# Altium PCB waffling60-MXHS-ISO.PcbDoc (part 2 of 2) (continued)
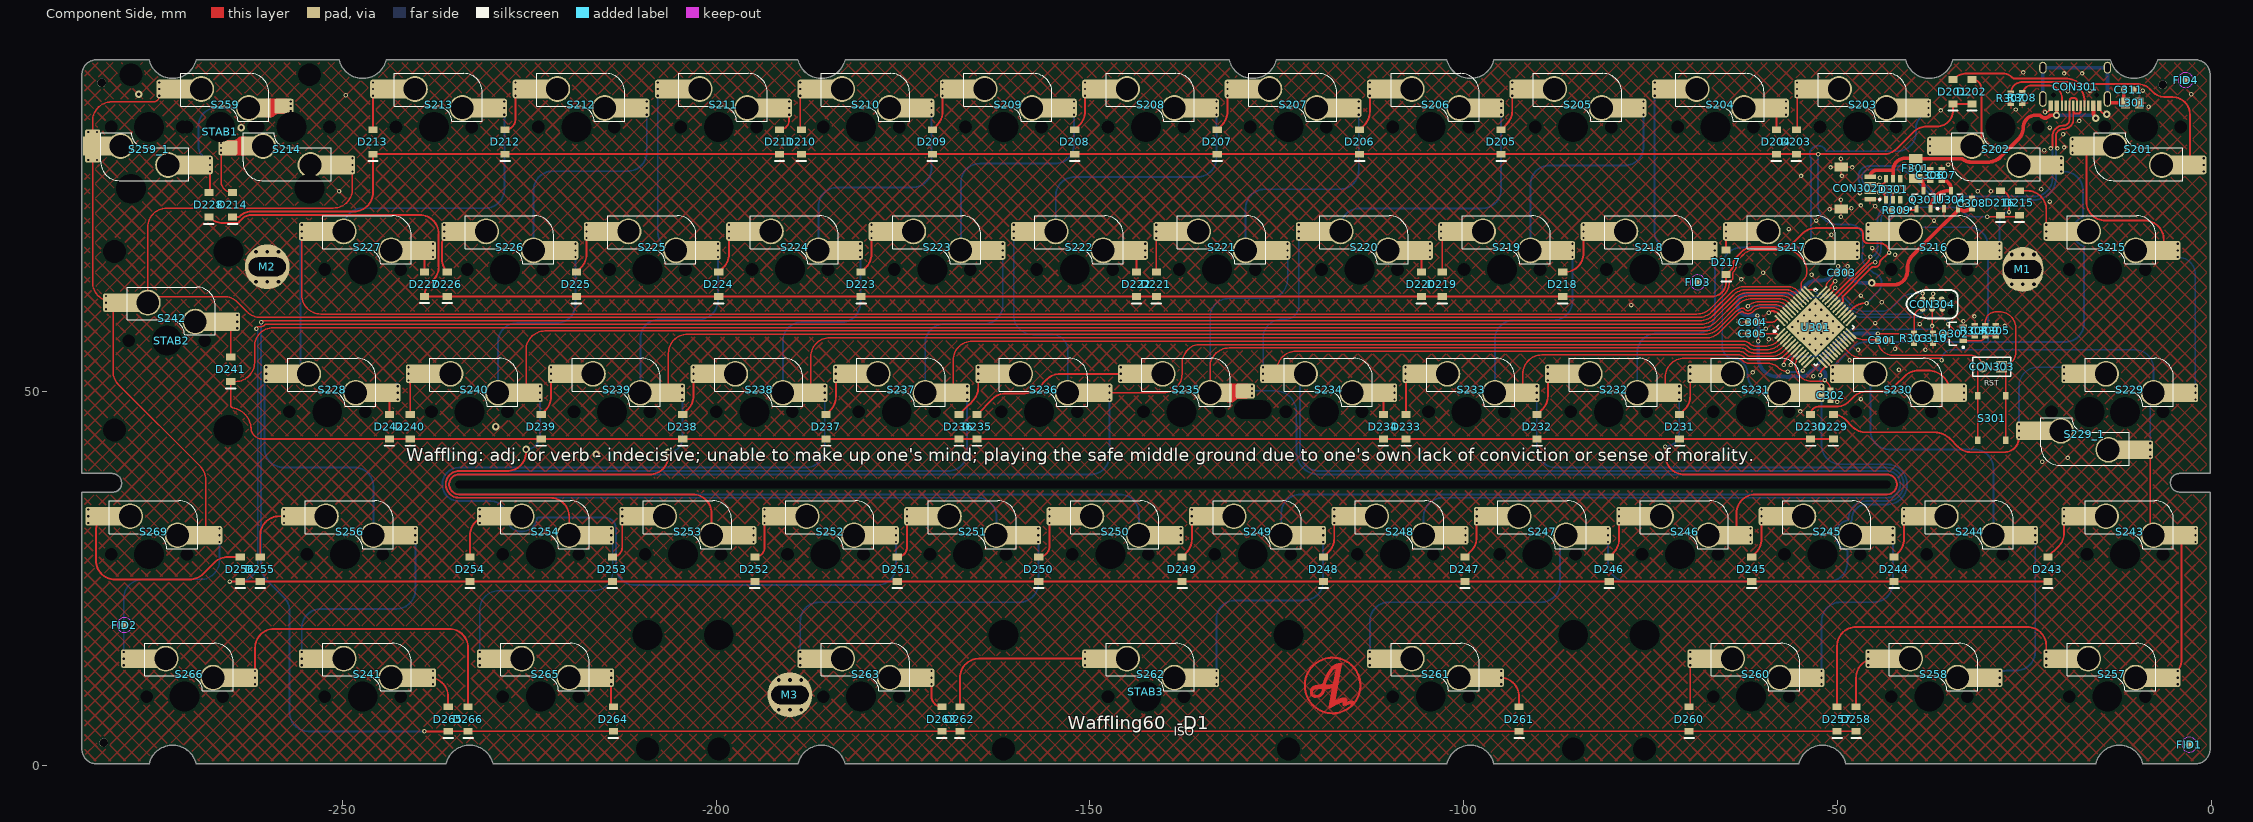
[diagram p0: Component Side view]
## Nets (pads, with @x,y where several pads share a name; then routed paths per layer and width w, separated by ;. In a path a pad name is that pad's centre, name@x,y a point inside that pad or via, vN(x,y) a via of type N, cw(c..) or ccw(c..) an arc to the next point about the centre after c; other vN are vias at no path point) (continued)
  Bottom Layer w0.6: S235.1@-145.887,51.506 S235.1@-145.887,52.395 S235.1@-145.887,53.284
NetD236_1: D236.1 S236.1 | length 7.7
  Component Side w0.254: D236.1@-167.513,46.95 -167.03,47.278 -167.156,47.278 cw(c-166.92,47.184) -167.1,47.363 -166.19,48.273 cw(c-166.011,48.093) -166.11,48.327 ccw(c-166.354,48.918) -165.764,48.673 cw(c-165.53,48.574) -165.71,48.753 -165.681,48.782 ccw(c-167.477,50.578) -164.937,50.578 S236.1@-164.937,51.506 ; S236.1@-163.195,52.395 S236.1@-163.077,52.395
  Bottom Layer w0.6: S236.1@-164.937,51.506 S236.1@-164.937,52.395 S236.1@-164.937,53.284
NetD237_1: D237.1 S237.1 | length 7.4
  Component Side w0.254: D237.1@-185.293,46.95 -184.731,47.512 ccw(c-186.527,49.308) -183.987,49.308 S237.1@-183.987,51.506 ; S237.1@-182.753,52.395 S237.1@-182.127,52.395
  Bottom Layer w0.6: S237.1@-183.987,51.506 S237.1@-183.987,52.395 S237.1@-183.987,53.284
NetD238_1: D238.1 S238.1 | length 7.6
  Component Side w0.254: D238.1@-204.47,46.95 -203.781,47.639 ccw(c-205.577,49.435) -203.037,49.435 S238.1@-203.037,51.506 ; S238.1@-201.93,52.395 S238.1@-201.177,52.395
  Bottom Layer w0.6: S238.1@-203.037,51.506 S238.1@-203.037,52.395 S238.1@-203.037,53.284
NetD239_1: D239.1 S239.1 | length 7.4
  Component Side w0.254: D239.1@-223.393,46.95 -222.831,47.512 ccw(c-224.627,49.308) -222.087,49.308 S239.1@-222.087,51.506 ; S239.1@-220.853,52.395 S239.1@-220.227,52.395
  Bottom Layer w0.6: S239.1@-222.087,51.506 S239.1@-222.087,52.395 S239.1@-222.087,53.284
NetD240_1: D240.1 S240.1 | length 7.7
  Component Side w0.254: S240.1@-241.137,51.506 cw(c-241.663,50.98) -240.919,50.98 D240.1@-240.919,46.95 ; S240.1@-240.175,51.497 S240.1@-239.277,52.395
  Bottom Layer w0.6: S240.1@-241.137,51.506 S240.1@-241.137,52.395 S240.1@-241.137,53.284
NetD241_1: D241.1 S242.1 | length 7.1
  Component Side w0.254: S242.1@-265.92,59.38 cw(c-265.92,58.382) -264.922,58.382 D241.1@-264.922,54.635
  Bottom Layer w0.6: S242.1@-264.06,58.491 S242.1@-264.06,59.38 S242.1@-264.06,60.269
NetD242_1: D242.1 S228.1 | length 5.1
  Component Side w0.254: S228.1@-244.452,49.855 cw(c-244.452,49.116) -243.713,49.116 D242.1@-243.713,46.95
  Bottom Layer w0.6: S228.1@-242.697,49.149 -242.697,50.038 S228.1@-242.697,50.927
NetD243_1: D243.1 S243.1 | length 8.6
  Component Side w0.254: D243.1@-21.844,27.9 -20.425,29.319 ccw(c-22.221,31.115) -19.681,31.115 S243.1@-19.681,32.456 ; S243.1@-19.304,33.345 S243.1@-17.821,33.345
  Bottom Layer w0.6: S243.1@-19.681,32.456 S243.1@-19.681,33.345 S243.1@-19.681,34.234
NetD244_1: D244.1 S244.2 | length 6.8
  Component Side w0.254: D244.1@-42.418,27.9 -41.854,28.464 ccw(c-43.65,30.26) -41.11,30.26 S244.2@-41.11,32.456
  Bottom Layer w0.6: S244.2@-41.11,32.456 S244.2@-41.11,33.345 S244.2@-41.11,34.234
NetD245_1: D245.1 S245.1 | length 6.8
  Component Side w0.254: D245.1@-61.468,27.9 -60.906,28.462 ccw(c-62.702,30.258) -60.162,30.258 S245.1@-60.162,32.456
  Bottom Layer w0.6: S245.1@-60.162,32.456 S245.1@-60.162,33.345 S245.1@-60.162,34.234
NetD246_1: D246.1 S246.1 | length 6.8
  Component Side w0.254: D246.1@-80.518,27.9 -79.956,28.462 ccw(c-81.752,30.258) -79.212,30.258 S246.1@-79.212,32.456
  Bottom Layer w0.6: S246.1@-79.212,32.456 S246.1@-79.212,33.345 S246.1@-79.212,34.234
NetD247_1: D247.1 S247.1 | length 6.9
  Component Side w0.254: D247.1@-99.822,27.9 -99.006,28.716 ccw(c-100.802,30.512) -98.262,30.512 S247.1@-98.262,32.456
  Bottom Layer w0.6: S247.1@-98.262,32.456 S247.1@-98.262,33.345 S247.1@-98.262,34.234
NetD248_1: D248.1 S248.1 | length 6.8
  Component Side w0.254: D248.1@-118.745,27.9 -118.056,28.589 ccw(c-119.852,30.385) -117.312,30.385 S248.1@-117.312,32.456
  Bottom Layer w0.6: S248.1@-117.312,32.456 S248.1@-117.312,33.345 S248.1@-117.312,34.234
NetD249_1: D249.1 S249.1 | length 6.8
  Component Side w0.254: D249.1@-137.668,27.9 -137.106,28.462 ccw(c-138.902,30.258) -136.362,30.258 S249.1@-136.362,32.456
  Bottom Layer w0.6: S249.1@-136.362,32.456 S249.1@-136.362,33.345 S249.1@-136.362,34.234
NetD250_1: D250.1 S250.1 | length 7.9
  Component Side w0.254: D250.1@-156.845,27.9 ccw(c-156.845,29.333) -155.412,29.333 S250.1@-155.412,32.456 ; S250.1@-154.305,33.345 S250.1@-153.552,33.345
  Bottom Layer w0.6: S250.1@-155.412,32.456 S250.1@-155.412,33.345 S250.1@-155.412,34.234
NetD251_1: D251.1 S251.1 | length 7.7
  Component Side w0.254: D251.1@-175.768,27.9 ccw(c-175.768,29.206) -174.462,29.206 S251.1@-174.462,32.456 ; S251.1@-173.228,33.345 S251.1@-172.602,33.345
  Bottom Layer w0.6: S251.1@-174.462,32.456 S251.1@-174.462,33.345 S251.1@-174.462,34.234
NetD252_1: D252.1 S252.1 | length 7.7
  Component Side w0.254: D252.1@-194.818,27.9 ccw(c-194.818,29.206) -193.512,29.206 S252.1@-193.512,32.456 ; S252.1@-192.278,33.345 S252.1@-191.652,33.345
  Bottom Layer w0.6: S252.1@-193.512,32.456 S252.1@-193.512,33.345 S252.1@-193.512,34.234
NetD253_1: D253.1 S253.1 | length 7.7
  Component Side w0.254: D253.1@-213.868,27.9 ccw(c-213.868,29.206) -212.562,29.206 S253.1@-212.562,32.456 ; S253.1@-211.328,33.345 S253.1@-210.702,33.345
  Bottom Layer w0.6: S253.1@-212.562,32.456 S253.1@-212.562,33.345 S253.1@-212.562,34.234
NetD254_1: D254.1 S254.1 | length 9.3
  Component Side w0.254: D254.1@-232.918,27.9 -232.918,30.805 cw(c-230.378,30.805) -230.378,33.345 S254.1@-229.752,33.345
  Bottom Layer w0.6: S254.1@-231.612,32.456 S254.1@-231.612,33.345 S254.1@-231.612,34.234
NetD255_1: D255.1 S256.1 | length 11.2
  Component Side w0.254: D255.1@-260.985,27.9 -260.985,30.805 cw(c-258.445,30.805) -258.445,33.345 S256.1@-255.945,33.345
  Bottom Layer w0.6: S256.1@-257.805,32.456 S256.1@-257.805,33.345 S256.1@-257.805,34.234
NetD256_1: D256.1 S269.1 | length 29.7
  Component Side w0.254: S269.1@-282.14,33.345 -282.212,33.273 ccw(c-280.416,31.477) -282.956,31.477 -282.956,27.432 ccw(c-280.416,27.432) -280.416,24.892 -270.419,24.892 ccw(c-270.419,27.432) -268.623,25.636 -267.103,27.156 cw(c-265.307,25.36) -265.307,27.9 D256.1@-263.652,27.9
  Bottom Layer w0.6: S269.1@-284,32.456 S269.1@-284,33.345 S269.1@-284,34.234
NetD257_1: D257.1 S257.2 | length 41.6
  Component Side w0.254: D257.1@-50.038,7.85 -50.038,16.002 cw(c-47.498,16.002) -47.498,18.542 -24.602,18.542 cw(c-24.602,16.002) -22.062,16.002 S257.2@-22.062,15.184
  Bottom Layer w0.6: S257.2@-22.062,13.406 S257.2@-22.062,14.295 S257.2@-22.062,15.184
NetD258_1: D258.1 S258.1 | length 10.6
  Component Side w0.254: D258.1@-47.498,7.85 -47.498,11.755 cw(c-44.958,11.755) -44.958,14.295 S258.1@-44.014,14.295
  Bottom Layer w0.6: S258.1@-45.874,13.406 S258.1@-45.874,14.295 S258.1@-45.874,15.184
NetD260_1: D260.1 S260.1 | length 7.4
  Component Side w0.203: D260.1@-69.85,7.85 ccw(c-69.85,8.013) -69.687,8.013 -69.687,12.115 S260.1@-69.687,13.406
  Bottom Layer w0.6: S260.1@-69.687,13.406 S260.1@-69.687,14.295 S260.1@-69.687,15.184
NetD261_1: D261.1 S261.1 | length 8.8
  Component Side w0.254: S261.1@-96.839,11.755 -95.123,11.755 cw(c-95.123,9.215) -92.583,9.215 D261.1@-92.583,7.85
  Bottom Layer w0.6: S261.1@-94.979,10.866 S261.1@-94.979,11.755 S261.1@-94.979,12.644
NetD262_1: D262.1 S262.2 | length 25.7
  Component Side w0.254: D262.1@-167.386,7.858 -167.386,11.755 cw(c-164.846,11.755) -164.846,14.295 S262.2@-148.789,14.295
  Bottom Layer w0.6: S262.2@-150.649,13.406 S262.2@-150.649,14.295 S262.2@-150.649,15.184
NetD263_1: D263.1 S263.1 | length 6.3
  Component Side w0.254: S263.1@-173.039,11.755 S263.1@-172.339,11.755 ; S263.1@-171.179,10.866 -171.179,9.23 ccw(c-169.799,9.23) D263.1@-169.799,7.85
  Bottom Layer w0.6: S263.1@-171.179,10.866 S263.1@-171.179,11.755 S263.1@-171.179,12.644
NetD264_1: D264.1 S265.1 | length 5
  Component Side w0.254: S265.1@-214.042,10.866 -214.042,9.741 -214.042,8.151 ccw(c-213.741,8.151) D264.1@-213.741,7.85
  Bottom Layer w0.6: S265.1@-214.042,10.866 S265.1@-214.042,11.755 S265.1@-214.042,12.644
NetD265_1: D265.1 S241.2 | length 8.5
  Component Side w0.254: S241.2@-239.714,11.755 -238.379,11.755 cw(c-238.379,9.215) -235.839,9.215 D265.1@-235.839,7.85
  Bottom Layer w0.6: S241.2@-237.854,10.866 S241.2@-237.854,11.755 S241.2@-237.854,12.644
NetD266_1: D266.1 S266.1 | length 44.2
  Component Side w0.254: S266.1@-261.667,12.644 -261.667,15.748 cw(c-259.127,15.748) -259.127,18.288 -235.712,18.288 cw(c-235.712,15.748) -233.172,15.748 D266.1@-233.172,7.85
  Bottom Layer w0.6: S266.1@-261.667,10.866 S266.1@-261.667,11.755 S266.1@-261.667,12.644
NetQ301_1: Q301.1 R309.1 | length 2.1
  Component Side w0.254: R309.1@-41.387,74.295 -39.628,74.295 ccw(c-39.628,74.492) Q301.1@-39.431,74.492
NRST: C310.1 CON304.3 Q302.3 R303.2 U301.7 | length 33
  Component Side w0.203: R303.2@-39.751,56.5 -39.726,56.5 -39.17,57.056 cw(c-37.374,55.26) -37.763,57.77 ; CON304.3@-37.338,61.087 v1(-37.338,58.801) -37.338,57.927 C310.1@-37.211,57.8 -37.374,57.8 ccw(c-37.374,55.26) -37.763,57.77 ; Q302.3@-35.564,57.77 -37.763,57.77
  Component Side w0.254: v1(-57.195,53.594) cw(c-56.135,53.594) -56.885,54.344 U301.7@-55.743,55.486
  Bottom Layer w0.254: v1(-57.195,53.594) cw(c-56.052,53.594) -56.052,54.737 -53.303,54.737 ccw(c-53.303,57.277) -51.507,55.481 -49.37,57.618 cw(c-47.574,55.822) -47.574,58.362 -44.868,58.362 ccw(c-44.87,58.616) -44.786,58.376 cw(c-44.577,57.785) -44.577,58.412 cw(c-44.577,57.785) -44.374,58.378 ccw(c-44.293,58.619) -44.294,58.365 -43.218,58.365 cw(c-43.218,58.111) -43.18,58.362 -37.777,58.362 ccw(c-37.777,58.801) v1(-37.338,58.801)
PA0: U301.10
PA1: U301.11
PA5: U301.15
PA6: U301.16
PA7: U301.17
PA9: D215.2 D216.2 D217.2 D218.2 D219.2 D220.2 D221.2 D222.2 D223.2 D224.2 D225.2 D226.2 D227.2 D228.2 U301.30 | length 278.4
  Component Side w0.254: D228.2@-267.843,73.365 -267.805,73.327 ccw(c-266.009,75.123) -266.009,72.583 -264.058,72.583 ccw(c-264.058,72.91) -263.764,72.767 cw(c-263.536,72.655) -263.717,72.833 -263.38,73.17 cw(c-262.197,71.987) -262.197,73.66 -239.649,73.66 cw(c-239.649,71.12) -237.109,71.12 -237.109,66.726 cw(c-239.649,66.726) -237.853,64.93 -238.076,64.708 cw(c-240.03,66.33) -238.234,64.534 -238.379,64.389 ccw(c-236.846,62.856) -238.38,64.388 ccw(c-236.846,62.856) -239.014,62.856 D227.2@-239.014,62.754 D226.2@-235.966,62.754 ; D226.2@-235.966,62.73 D225.2@-218.694,62.73 D224.2@-199.644,62.73 D223.2@-180.594,62.73 D222.2@-143.764,62.73 D221.2@-141.097,62.73 D220.2@-105.664,62.73 D219.2@-102.87,62.73 D218.2@-86.741,62.73 -66.813,62.73 ccw(c-66.813,64.646) -65.459,63.29 ccw(c-66.813,64.646) -65.458,63.291 ccw(c-66.813,64.646) -65.457,63.292 ccw(c-66.813,64.646) -64.897,64.646 D217.2@-64.897,65.675 -64.414,66.003 -64.525,66.003 cw(c-64.29,65.907) -64.471,66.085 -64.237,66.319 ccw(c-64.981,67.063) -63.929,67.063 cw(c-62.598,67.063) -63.539,68.004 -62.897,68.646 cw(c-61.101,66.85) -61.101,69.39 -57.52,69.39 ccw(c-57.52,71.93) -55.723,70.134 -54.719,71.138 cw(c-52.923,69.342) -52.923,71.882 -47.296,71.882 cw(c-47.296,71.163) -46.577,71.163 -46.577,70.508 ccw(c-45.938,70.508) -46.522,70.248 ccw(c-45.938,70.508) -46.401,70.067 ; U301.30@-49.768,61.461 U301.30@-49.751,61.477 ; U301.30@-49.344,61.852 U301.30@-49.415,61.781 ; -46.522,70.247 ccw(c-45.938,70.508) -45.938,69.868 -44.341,69.868 cw(c-44.341,68.62) v1(-43.093,68.62) ; v1@-43.093,68.58 ccw(c-44.46,68.62) v1(-43.093,68.62) ; v1(-29.972,73.406) -25.867,73.406 D215.2@-25.654,73.619 ; U301.30@-49.751,61.477 -49.748,61.48 U301.30@-49.741,61.473 ; U301.30@-49.751,61.477 -49.745,61.471 ccw(c-49.856,61.699) U301.30@-49.741,61.473 ; U301.30@-49.741,61.473 ccw(c-49.856,61.699) U301.30@-49.678,61.518 ; U301.30@-49.741,61.473 ccw(c-49.856,61.699) U301.30@-49.678,61.518 ; U301.30@-49.678,61.518 U301.30@-49.415,61.781 ; U301.30@-49.415,61.781 ccw(c-49.595,61.96) -49.365,61.853 -49.321,61.947 cw(c-49.091,61.84) -49.308,61.972 ccw(c-49.715,62.221) -49.28,62.416 cw(c-49.047,62.519) -49.301,62.518 -49.301,62.624 cw(c-49.047,62.624) -49.227,62.804 -45.386,66.645 cw(c-45.207,66.465) -45.136,66.709 ccw(c-44.958,67.31) -44.331,67.321 cw(c-44.077,67.324) -44.258,67.502 -43.205,68.555 cw(c-43.026,68.375) v1(-43.093,68.62)
  Bottom Layer w0.254: v1(-43.093,68.62) -43.093,72.136 cw(c-40.553,72.136) -40.553,74.676 -34.627,74.676 cw(c-34.627,72.942) -33.401,74.168 -33.383,74.15 ccw(c-31.587,75.946) -31.587,73.406 v1(-29.972,73.406)
PA10: U301.31
PB0: U301.18
PB1: U301.19
PB4: D257.2 D258.2 D260.2 D261.2 D262.2 D263.2 D264.2 D265.2 D266.2 U301.40 | length 472.4
  Component Side w0.203: v1(-260.858,59.309) cw(c-260.676,59.309) -260.676,59.491 -257.683,59.491 -70.993,59.491 -68.42,59.491 ccw(c-68.42,62.031) -66.623,60.235 -63.943,62.916 cw(c-62.147,61.12) -62.147,63.66 -56.98,63.66 cw(c-56.98,61.716) -55.605,63.091 U301.40@-55.036,62.521
  Component Side w0.254: v1@-239.014,4.572 v1(-239.014,4.578) D265.2@-235.837,4.578 ; D265.2@-235.839,4.58 D266.2@-233.172,4.58 D264.2@-213.741,4.58 D257.2@-50.038,4.58 D258.2@-47.498,4.58
  Bottom Layer w0.254: v1(-260.858,59.309) -260.858,26.579 ccw(c-258.318,26.579) -260.114,24.783 -257.792,22.461 cw(c-259.588,20.665) -257.048,20.665 -257.048,7.112 ccw(c-254.508,7.112) -254.508,4.572 v1@-239.014,4.572
PB5: D243.2 D244.2 D245.2 D246.2 D247.2 D248.2 D249.2 D250.2 D251.2 D252.2 D253.2 D254.2 D255.2 D256.2 U301.41 | length 488
  Component Side w0.203: v1(-261.493,58.42) cw(c-261.206,58.42) -261.206,58.707 -260.858,58.707 ccw(c-260.858,59.309) -260.372,58.955 cw(c-260.208,58.834) -260.209,59.037 -68.231,59.037 ccw(c-68.231,61.577) -66.435,59.781 -63.704,62.513 cw(c-61.908,60.717) -61.908,63.257 -57.249,63.257 cw(c-57.249,61.398) -55.934,62.712 U301.41@-55.389,62.168
  Component Side w0.254: v1@-265.049,24.638 -263.66,24.638 D256.2@-263.652,24.63 ; D256.2@-263.65,24.63 D255.2@-260.985,24.63 D254.2@-232.918,24.63 D253.2@-213.868,24.63 D252.2@-194.818,24.63 D251.2@-175.768,24.63 D250.2@-156.845,24.63 D249.2@-137.668,24.63 D248.2@-118.745,24.63 D247.2@-99.822,24.63 D246.2@-80.518,24.63 D245.2@-61.468,24.63 D244.2@-42.418,24.63 D243.2@-21.844,24.63
  Bottom Layer w0.254: v1(-265.052,24.604) -263.852,24.604 ccw(c-263.852,27.144) -263.648,24.612 ccw(c-263.852,27.144) -261.312,27.144 -261.312,58.239 ccw(c-261.493,58.239) v1(-261.493,58.42)
PB6: D229.2 D230.2 D231.2 D232.2 D233.2 D234.2 D235.2 D236.2 D237.2 D238.2 D239.2 D240.2 D241.2 D242.2 U301.42 | length 436.3
  Component Side w0.203: D241.2@-264.922,51.364 -264.922,48.137 ccw(c-264.668,48.137) -264.711,47.887 cw(c-265.225,44.902) -262.198,45.005 ; D241.2@-264.922,51.365 -264.287,51.365 ccw(c-264.287,53.905) -261.747,53.905 -261.747,56.017 ccw(c-264.278,56.233) -261.738,56.233 -261.738,56.26 cw(c-259.207,56.043) -259.207,58.583 -68.043,58.583 ccw(c-68.043,61.123) -66.247,59.327 -63.465,62.11 cw(c-61.669,60.314) -61.669,62.854 -57.517,62.854 cw(c-57.517,61.079) -56.263,62.334 U301.42@-55.743,61.814 ; -262.212,45.216 cw(c-265.225,44.902) -262.198,45.005 ; D242.2@-243.713,43.68 -260.676,43.68 cw(c-260.676,45.216) -262.198,45.005 ; D242.2@-243.669,43.68 D240.2@-240.919,43.68 D239.2@-223.393,43.68 D238.2@-204.47,43.68 D237.2@-185.293,43.68 D236.2@-167.513,43.68 D235.2@-165.1,43.68 D234.2@-110.744,43.68 D233.2@-107.696,43.68 D232.2@-90.17,43.68 D231.2@-71.12,43.68 D230.2@-53.594,43.68 D229.2@-50.546,43.68
PB10: U301.21
PB11: U301.22
PB12: U301.25
PB13: U301.26
PB14: D201.2 D202.2 D203.2 D204.2 D205.2 D206.2 D207.2 D208.2 D209.2 D210.2 D211.2 D212.2 D213.2 D214.2 U301.27 | length 271.9
  Component Side w0.254: D214.2@-264.668,73.365 -263.932,73.365 ccw(c-263.932,73.619) -263.753,73.439 -263.702,73.49 cw(c-262.197,71.987) -263.701,73.491 cw(c-262.197,71.987) -262.197,74.114 -248.44,74.114 ccw(c-248.44,76.654) -245.9,76.654 D213.2@-245.9,81.78 D212.2@-228.219,81.78 D211.2@-191.516,81.78 D210.2@-188.595,81.78 D209.2@-171.069,81.78 D208.2@-152.019,81.78 D207.2@-132.969,81.78 D206.2@-113.919,81.78 D205.2@-94.996,81.78 D204.2@-58.166,81.78 D203.2@-55.499,81.78 v1(-52.578,81.78) -43.859,81.78 ccw(c-43.859,84.32) -42.063,82.524 -39.86,84.727 cw(c-38.064,82.931) -38.064,85.471 -36.703,85.471 ccw(c-36.703,87.63) -34.544,87.63 D201.2@-34.544,88.509 D202.2@-32.004,88.509 ; U301.27@-48.707,60.4 -48.002,61.105 cw(c-46.206,59.309) -46.206,61.849 v1(-46.101,61.849)
  Bottom Layer w0.254: v1(-52.578,81.78) -52.578,74.93 ccw(c-50.038,74.93) -50.785,72.502 ccw(c-50.038,74.93) -50.038,72.39 -48.387,72.39 cw(c-48.387,70.612) -46.609,70.612 -46.609,68.625 cw(c-46.863,68.627) -46.63,68.526 ccw(c-45.593,68.072) -46.725,68.072 ccw(c-45.165,68.072) -46.268,66.969 -45.72,66.421 -45.211,65.912 ccw(c-45.033,66.093) -45.097,65.847 cw(c-45.421,64.556) -44.9,65.781 -44.898,65.78 cw(c-45.421,64.556) -44.269,65.224 -44.268,65.222 cw(c-45.421,64.556) -44.176,64.084 ccw(c-43.938,63.994) -44.176,64.082 ccw(c-43.938,63.994) -44.18,64.072 cw(c-45.984,64.641) -44.646,63.304 v1(-46.101,61.849)
PB15: U301.28
RAW: CON301.A4B9 CON301.B4A9 CON302.1 D301.5 F301.2 | length 39.8
  Component Side w0.5: CON302.1@-45.625,78.75 cw(c-44.746,78.75) -44.746,79.629 -42.545,79.629 ; D301.5@-42.545,78.464 -42.545,79.629 ; -23.622,86.995 -23.11,86.995 cw(c-23.112,86.495) -22.758,86.848 ccw(c-22.225,87.376) -21.692,86.848 cw(c-21.338,86.495) -21.34,86.995 v3@-20.701,86.995 ; -23.499,86.991 ccw(c-23.499,85.344) -25.146,85.344 cw(c-27.292,85.344) -25.775,83.826 -28.152,81.449 cw(c-29.948,83.245) -29.948,80.705 -31.864,80.705 cw(c-32.01,82.875) -33.248,81.087 ccw(c-33.532,80.675) -33.53,81.175 -35.754,81.175 cw(c-35.758,81.938) -35.758,81.175 -39.357,81.175 cw(c-39.357,81.373) F301.2@-39.497,81.233 -40.941,81.233 ccw(c-40.941,79.629) -42.545,79.629 ; v3(-20.697,86.991) -20.697,86.995 v3@-20.701,86.995 ; CON301.B4A9@-20.65,88.25 -20.674,88.226 -20.674,87.222 -20.774,87.122 -20.828,87.122 v3@-20.701,86.995 ; CON301.A4B9@-15.75,88.25 -15.75,87.276 ccw(c-14.758,87.276) v3(-15.46,86.575)
  Bottom Layer w0.5: v3(-20.697,86.991) -15.876,86.991 cw(c-15.876,86.575) v3(-15.46,86.575)
SWCLK: CON304.4 U301.37 | length 20.5
  Component Side w0.203: U301.37@-53.975,63.582 -53.975,63.627 v1(-52.959,63.627) ; CON304.4@-37.338,62.357 -37.274,62.42 -37.274,63.055 v1(-37.211,63.119)
  Bottom Layer w0.203: v1(-52.959,63.627) ccw(c-52.346,63.627) -52.346,63.014 -51.342,63.014 cw(c-51.342,60.071) -49.26,62.152 -48.863,61.754 -48.199,61.091 ccw(c-46.403,62.887) -46.403,60.347 -39.751,60.347 ccw(c-39.751,62.887) -37.211,62.887 v1(-37.211,63.119)
SWDIO: CON304.2 U301.34 | length 16
  Component Side w0.203: U301.34@-51.182,62.875 -51.182,62.901 -50.495,63.588 -50.495,63.604 -50.29,63.809 v1(-50.29,63.916) ; CON304.2@-38.608,62.357 v1(-38.609,63.152)
  Bottom Layer w0.203: v1(-50.29,63.916) -50.29,63.809 -50.148,63.666 -50.148,63.61 -48.032,61.494 ccw(c-46.236,63.29) -46.236,60.75 -44.25,60.75 ccw(c-44.25,63.29) -42.454,61.494 -41.54,62.408 cw(c-39.744,60.612) -41.42,62.521 cw(c-39.744,60.612) -39.744,63.152 v1(-38.609,63.152)
VCC: C307.2 Q301.2 U304.3 | length 6.3
  Component Side w0.5: Q301.2@-37.531,74.492 cw(c-35.131,74.492) -35.131,76.892 U304.3@-34.798,76.892 -34.798,77.074 ccw(c-36.068,77.074) C307.2@-36.068,78.344
VCC3V3: C301.2 C302.2 C303.2 C304.2 C305.2 C308.2 CON303.2 CON304.1 R303.1 S301.1 U301.1 U301.9 U301.24 U301.36 U301.48 U304.2 | length 131.4
  Component Side w0.203: v1(-60.706,60.198) -60.706,59.324 C304.2@-60.691,59.309 -58.78,59.309 ccw(c-58.78,60.037) -58.265,59.522 -58.052,59.736 -57.989,59.736 U301.48@-57.685,59.432 ; v1(-60.579,56.769) -60.579,57.673 C305.2@-60.691,57.785 -58.308,57.785 cw(c-58.308,57.341) U301.1@-57.995,57.655 ; U301.9@-55.206,54.608 -55.442,54.372 -55.436,54.309 cw(c-55.605,54.421) -55.444,54.297 ccw(c-55.089,54.018) -55.529,54.117 cw(c-55.728,54.162) -55.537,54.092 ccw(c-54.191,53.594) -55.626,53.594 ccw(c-53.439,53.594) -53.439,51.407 -52.577,51.407 -52.006,51.407 -51.952,51.407 -51.796,51.562 v1(-51.689,51.562) -51.365,51.238 cw(c-52.424,50.18) C302.2@-50.927,50.18 ; U301.36@-51.889,63.582 -51.482,63.989 -51.482,64.224 cw(c-50.915,64.224) -51.316,64.625 -50.053,65.888 C303.2@-50.053,65.913 ccw(c-50.053,66.055) -49.911,66.055 v1(-49.911,66.802) ; U301.24@-48,57.607 ccw(c-46.389,59.218) -46.389,56.94 -44.675,56.94 C301.2@-44.592,57.023 ; CON304.1@-38.608,61.087 ccw(c-38.608,59.944) -39.751,59.944 R303.1@-39.751,57.8 -39.766,57.785 v1(-44.577,57.785) -44.577,56.911 C301.2@-44.592,56.896 ccw(c-42.582,56.896) -44.592,56.871 ccw(c-42.582,56.896) -42.607,54.886 ccw(c-42.582,56.896) -42.582,54.886 -32.153,54.886 cw(c-32.153,53.34) CON303.2@-30.607,53.34 ccw(c-30.607,52.735) -31.212,52.735 S301.1@-31.212,49.482 S301.1@-31.212,43.482
  Component Side w0.5: v3(-45.421,64.556) ccw(c-45.171,64.556) -45.171,64.306 -42.501,64.306 ccw(c-42.501,66.167) -40.64,66.167 -40.64,66.512 cw(c-38.1,66.512) -39.896,68.308 -36.512,71.691 -33.873,74.242 U304.2@-33.848,74.492 -33.823,74.49 -33.8,74.49 cw(c-33.846,73.992) -33.516,74.368 ccw(c-33.02,74.93) -32.523,74.368 cw(c-32.194,73.992) -32.195,74.492 -32.046,74.492 ccw(c-32.046,74.534) C308.2@-32.004,74.534
  Bottom Layer w0.5: v1(-60.706,60.198) -61.893,60.198 cw(c-61.893,61.678) -63.373,61.678 cw(c-61.932,61.678) -61.932,63.119 -56.27,63.119 ccw(c-56.27,65.287) -56.129,63.124 ccw(c-56.27,65.287) -54.737,63.754 -54.127,64.364 cw(c-52.84,63.076) -52.84,64.897 -52.116,64.897 ccw(c-52.116,66.848) -50.737,65.468 -49.911,66.294 v1(-49.911,66.802) -48.409,65.3 ccw(c-46.612,67.096) -46.612,64.556 v3(-45.421,64.556) ; v1@-60.579,60.198 v1(-60.579,56.769) -60.579,54.569 ccw(c-58.039,54.569) -60.457,53.791 ccw(c-58.039,54.569) -58.819,52.152 ccw(c-58.039,54.569) -58.039,52.029 -57.799,52.029 ccw(c-57.802,52.529) -57.79,52.029 ; -57.663,52.029 ccw(c-57.652,52.529) -57.654,52.029 -57.064,52.029 cw(c-57.066,51.529) -56.897,52 ccw(c-56.642,52.705) -56.327,52.025 cw(c-56.118,51.57) -56.12,52.07 -54.854,52.07 ccw(c-54.854,52.901) -54.837,52.07 ccw(c-54.864,53.908) -54.678,52.079 cw(c-54.626,51.582) -54.621,52.082 ccw(c-54.61,52.832) -54.266,52.166 cw(c-54.037,51.721) -54.215,52.189 ccw(c-54.864,53.908) -54.079,52.246 ccw(c-54.294,52.697) -53.862,52.445 cw(c-53.213,52.07) -53.463,52.777 ccw(c-53.632,53.248) -53.28,52.893 -53.112,53.06 -52.756,53.459 cw(c-52.197,52.959) -52.72,53.497 ; v1@-51.67,51.581 v1(-51.689,51.562) -51.689,51.583 cw(c-51.189,51.581) -51.663,51.739 ccw(c-52.451,52.004) -51.628,51.888 cw(c-51.133,51.817) -51.61,51.968 ccw(c-52.324,52.197) -52.189,52.935 cw(c-52.096,53.426) -52.448,53.071 -52.578,53.201 cw(c-52.223,53.553) -52.72,53.497 ; v1(-44.577,57.785) -47.335,57.785 ccw(c-47.335,55.245) -49.131,57.041 -51.098,55.074 cw(c-53.303,57.277) -51.13,55.042 -52.72,53.497 ; -57.789,52.029 cw(c-57.727,49.855) -57.665,52.029 ; -57.789,52.029 cw(c-57.727,49.855) -57.664,52.029 ; -57.789,52.029 cw(c-57.727,49.855) -57.665,52.029
pads on no net: CON301. CON301.A8 CON301.B8 CON304.0 CON304.6 D301.3 D301.4 FID1.0 FID2.0 FID3.0 FID4.0 S201. S202. S203. S204. S205. S206. S207. S208. S209. S210. S211. S212. S213. S214. S215. S216. S217. S218. S219. S220. S221. S222. S223. S224. S225. S226. S227. S228. S229. S229_1. S230. S231. S232. S233. S234. S235. S236. S237. S238. S239. S240. S241. S242. S243. S244. S245. S246. S247. S248. S249. S250. S251. S252. S253. S254. S256. S257. S258. S259. S259_1. S260. S261. S262. S263. S265. S266. S269. STAB1. STAB2. STAB3. STAB4. STAB5. STAB6.

## Polygon pours and split planes (outlines as drawn)
GND on Bottom Layer "Component Side-No Net" (hatched 45Degree grid 1.397 track 0.203, remove dead copper, pour order 4): -0.635,93.995 -0.635,0.65 -284.607,0.65 -284.607,93.995
GND on Component Side "Component Side-No Net" (hatched 45Degree grid 1.397 track 0.203, remove dead copper, pour order 5): -0.635,93.995 -0.635,0.65 -284.607,0.65 -284.607,93.995

## Other copper
Component Side:
  region net GND: 1746 vertices and 2 holes, not listed, extent -120.551,7.574 -114.639,13.714

## Silkscreen, mask and mechanical layers (free items; w line width, h text height)
Top Overlay:
  text "RST" at -30.353,50.8 h0.75
  text "Waffling: adj. or verb - indecisive; unable to make up one's mind; playing the safe middle ground due to one's own lack of conviction or sense of morality." at -241.427,40.132 h2.9
  text "Waffling60  -D1" at -152.989,4.228 h3
  text "ISO" at -138.811,3.556 h2
Bottom Overlay:
  text "< 10U" at -209.66,20.066 h1.52 r270
  text "< 7U" at -200.135,20.066 h1.52 r270
  text "< 3U" at -162.035,20.066 h1.52 r270
  text "< 7U" at -85.708,20.066 h1.52 r270
  text "< 10U" at -76.31,20.066 h1.52 r270
  text "< 3U" at -123.935,19.939 h1.52 r270
  text "< 3U" at -84.737,14.874 h1.52 r90
  text "< 3U" at -199.026,14.859 h1.52 r90
Top Solder:
  drawing of 2 lines, arcs and shapes, not listed
outline:
  lines w0.2: -284.861,36.576 -280.67,36.576 ccw(c-280.67,37.719) -279.527,37.719 -279.527,37.795 ccw(c-280.797,37.795) -280.797,39.065 -284.85,39.065 -284.85,92.415 cw(c-282.85,92.415) -282.85,94.415 -275.85,94.415 ccw(c-272.7,95.149) -269.55,94.415 -250.424,94.415 ccw(c-247.274,95.149) -244.124,94.415 -189.05,94.415 ccw(c-185.9,95.149) -182.75,94.415 -131.361,94.415 ccw(c-128.211,95.149) -125.061,94.415 -102.25,94.415 ccw(c-99.1,95.149) -95.95,94.415 -40.874,94.415 ccw(c-37.724,95.149) -34.574,94.415 -13.477,94.415 ccw(c-10.327,95.149) -7.177,94.415 ; -284.85,36.565 -284.85,2.215 ccw(c-282.85,2.215) -282.85,0.215 -275.85,0.215 cw(c-272.7,-0.52) -269.55,0.215 -236.137,0.215 cw(c-232.987,-0.52) -229.838,0.215 -189.05,0.215 cw(c-185.9,-0.52) -182.75,0.215 -102.25,0.215 cw(c-99.1,-0.52) -95.95,0.215 -55.161,0.215 cw(c-52.011,-0.52) -48.861,0.215 -15.45,0.215 cw(c-12.3,-0.52) -9.15,0.215 -2.15,0.215 ccw(c-2.15,2.215) -0.15,2.215 ccw(c-0.15,2.238) -0.127,2.238 -0.127,36.576 -4.191,36.576 cw(c-4.191,37.846) -5.461,37.846 cw(c-4.242,37.846) -4.242,39.065 -0.15,39.065 -0.15,92.415 ccw(c-2.15,92.415) -2.15,94.415 -7.15,94.415
Mechanical 16:
  drawing of 547 lines, arcs and shapes, not listed

## Dimensions
-9.15,0.215 to -2.15,94.415 on bot dimensions
-0.15,92.415 to -284.85,92.415 on bot dimensions
-9.15,0.215 to -7.177,94.415 on top dimensions
-0.15,92.415 to -284.85,92.415 on top dimensions

## Text inside footprints (layer, text, board x,y; h text height)
CON301: Mechanical 15 "connector edge" at -15.25,95.5 h1 r180